# Altium PCB PCB1.PcbDoc (part 1 of 2)
Units mil, origin at the board's own origin, x right, y up, seen from the top; angles counter-clockwise.
Board outline 2550 x 3730 mil, 2 copper layers (Top Layer, Bottom Layer); 59 components, 95 nets, 376 pads, 149 vias.
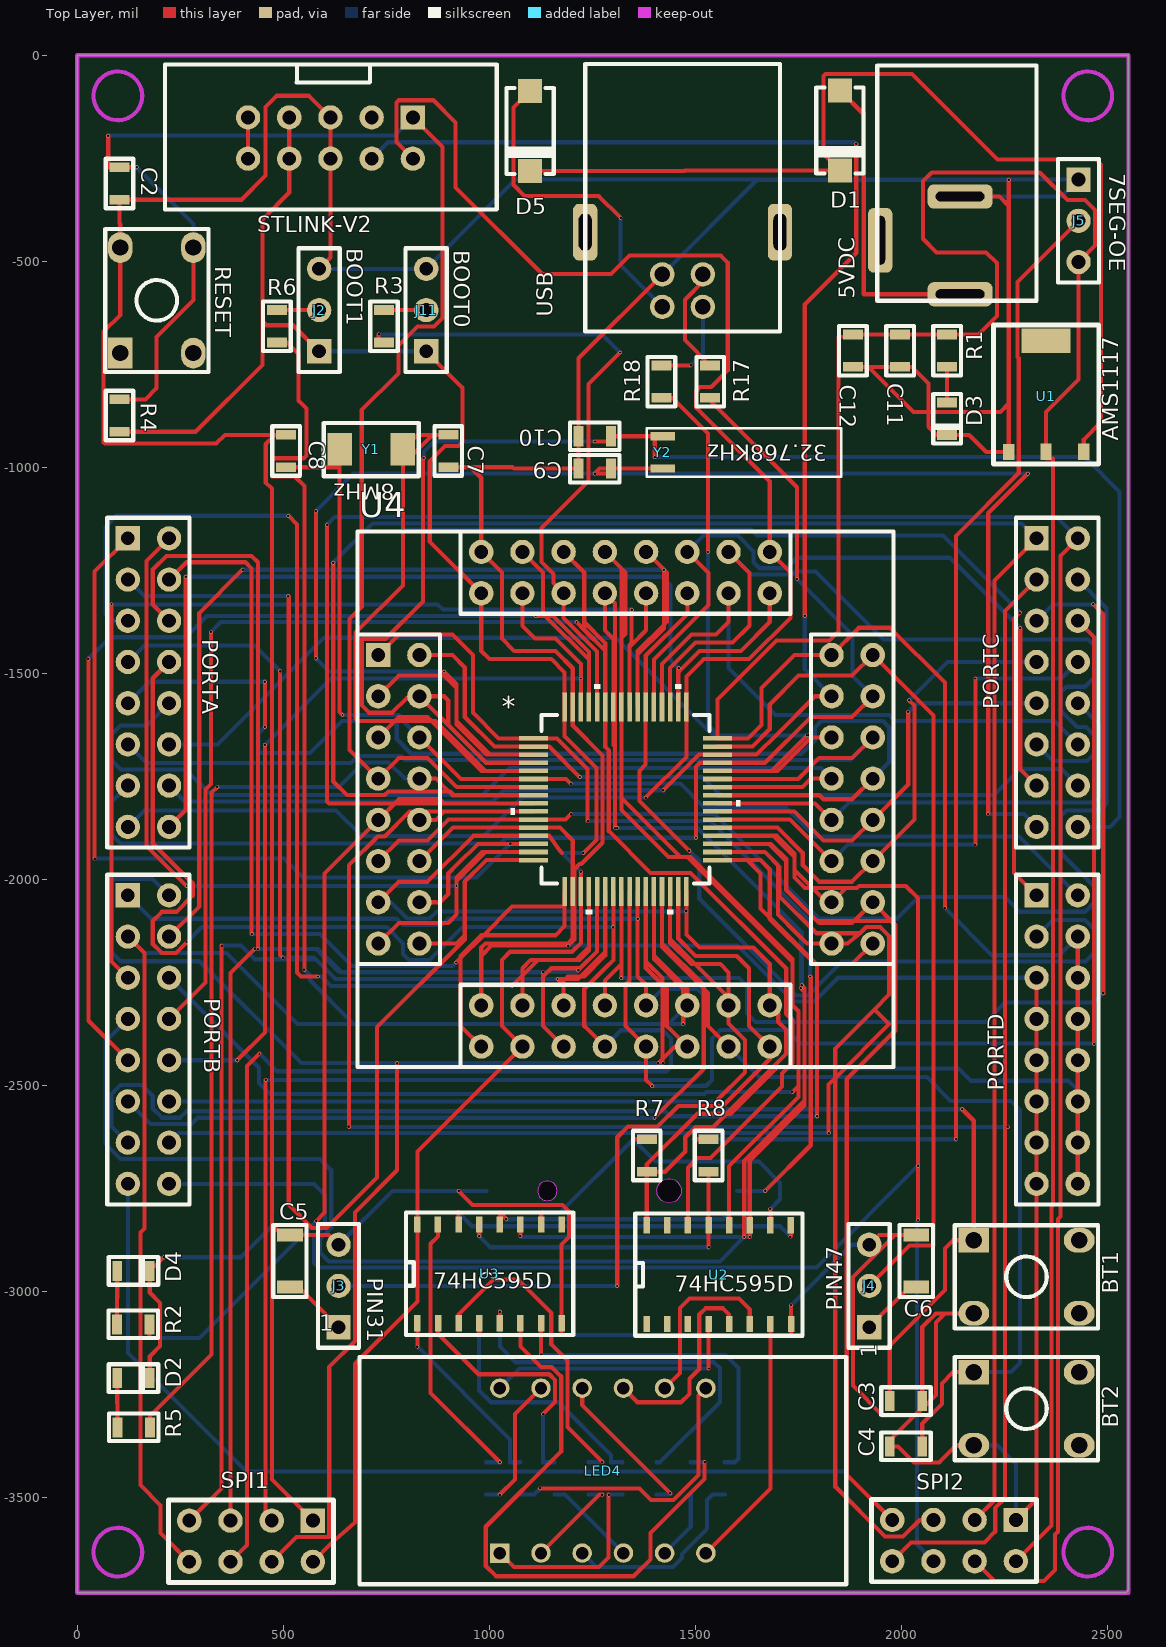
[diagram p0: Top Layer view]
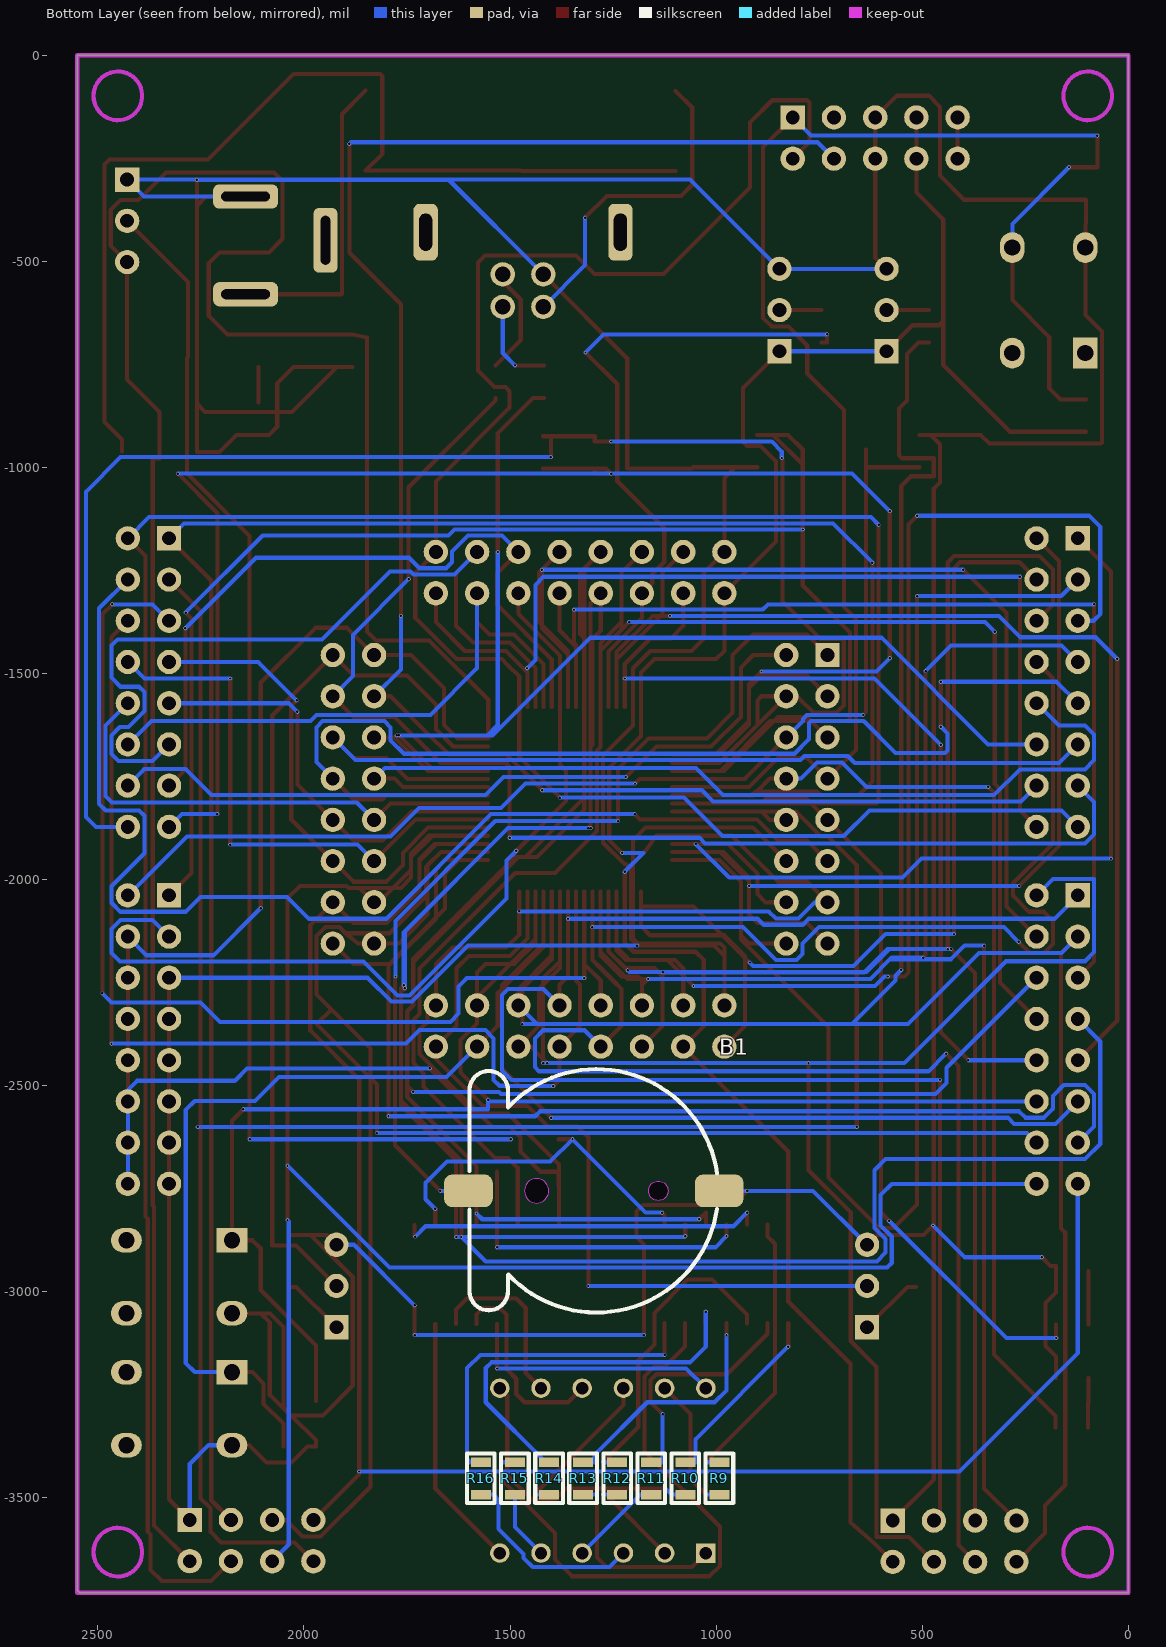
[diagram p1: Bottom Layer view, seen from below]

## Layer stack, top to bottom
Top Solder: solder mask 0.4, Solder Resist, Dk 3.5
Top Layer: signal copper 1.4
Dielectric 1: dielectric 12.6, FR-4, Dk 4.8
Bottom Layer: signal copper 1.4
Bottom Solder: solder mask 0.4, Solder Resist, Dk 3.5

## Board outline
0,-3730 2544.14,-3730 2550,-3724.14 2550,0 0,0

## Design rules (kind name [scope] priority, off if disabled: settings)
Clearance [All] p1: gap=5 ignorepadtopadclearanceinfootprint=FALSE
PolygonConnect [All] p1: connectstyle=Relief reliefconductorwidth=10 reliefentries=4 polygonreliefangle="90 Angle" airgapwidth=10
RoutingCorners [All] p1: cornerstyle=45-Degree minsetback=157.48 maxsetback=157.48
RoutingTopology [All] p1: topology=Daisy_Simple
RoutingVias [All] p1: holewidth=5.91 width=7.87 viastyle="Through Hole" minholewidth=5.91 minwidth=7.87 maxholewidth=5.91 maxwidth=7.87
SolderMaskExpansion [All] p1: expansion=4
UnpouredPolygon [All] p1: allowshelved=TRUE
Width [All] p1: maxlimit=20 minlimit=5 preferedwidth=10
27 further rules are at their usual default settings.

## Components (designator, comment, footprint, x,y, rotation, side; value= is the part's Value field where it differs from the comment)
5VDC "Connector" DC_K375A_Power 1629.92,-292.32 r180 top
B1 "3V" CR1220 1290,-2755 r270 bottom
BT1 "Button Hole" BUTTON_HOLE_5.0mm 2302.95,-2963.58 r90 top
BT2 "Button Hole" BUTTON_HOLE_5.0mm 2302.95,-3283.58 r90 top
C2 "103" C0805 102.36,-311.02 r90 top
C3 "103" C0805 2010.62,-3265.01 r0 top
C4 "103" C0805 2010.64,-3374.99 r180 top
C5 "2.2uF" C1206 515.75,-2925.2 r90 top
C6 "2.2uF" C1206 2035.43,-2925.2 r90 top
C7 "22pF" C0805 900.2,-960.16 r270 top
C8 "22pF" C0805 506.5,-960.16 r90 top
C9 "22pF" C0805 1255.2,-1002.87 r180 top
C10 "22pF" C0805 1255.2,-924.13 r180 top
C11 "102pF" C0805 1996.07,-716.54 r90 top
C12 "102pF" C0805 1881.9,-716.54 r90 top
D1 "1N4007" DO-214AC(SMA) 1850.39,-259.84 r90 top
D2 "LED0805" L0805RED 136.38,-3233.94 r0 top
D3 "LED0805" L0805RED 2085.63,-881.89 r270 top
D4 "LED0805" L0805RED 136.38,-2973.94 r0 top
D5 "1N4007" DO-214AC(SMA) 1098.43,-261.02 r90 top
J2 "BOOT1" "Header 3x1 TH Pitch 2.54mm" 586.61,-618.11 r90 top
J3 "PIN31" "Header 3x1 TH Pitch 2.54mm" 633.86,-2985.83 r90 top
J4 "PIN47" "Header 3x1 TH Pitch 2.54mm" 1921.26,-2985.83 r90 top
J5 "7SEG-OE" "Header 3x1 TH Pitch 2.54mm" 2429.13,-401.57 r270 top
J11 "BOOT0" "Header 3x1 TH Pitch 2.54mm" 846.46,-618.11 r90 top
LED4 "LED-7SEG-0.36-4" LED-7SEG-0.36-4 1275,-3433.86 r0 top
PORTA "Header 8x2 TH Pitch 2.54mm" "Header 8x2 TH Pitch 2.54mm" 172.64,-1521.93 r0 top
PORTB "Header 8x2 TH Pitch 2.54mm" "Header 8x2 TH Pitch 2.54mm" 172.64,-2388.07 r0 top
PORTC "Header 8x2 TH Pitch 2.54mm" "Header 8x2 TH Pitch 2.54mm" 2377.36,-1521.93 r0 top
PORTD "Header 8x2 TH Pitch 2.54mm" "Header 8x2 TH Pitch 2.54mm" 2377.36,-2388.07 r0 top
R1 "100" R0805 2110.24,-677.17 r90 top
R2 "330" R0805 175.12,-3078.94 r0 top
R3 "4k7" R0805 744.09,-696.85 r270 top
R4 "10k" R0805 102.36,-834.65 r90 top
R5 "330" R0805 176.38,-3328.94 r0 top
R6 "4k7" R0805 484.25,-696.85 r270 top
R7 "10k" R0805 1381.89,-2708.66 r270 top
R8 "10k" R0805 1531.5,-2629.92 r90 top
R9 "100" R0805 992.13,-3492.13 r270 bottom
R10 "100" R0805 1074.8,-3492.13 r270 bottom
R11 "100" R0805 1157.48,-3492.13 r270 bottom
R12 "100" R0805 1240.16,-3492.13 r270 bottom
R13 "100" R0805 1322.83,-3492.13 r270 bottom
R14 "100" R0805 1405.51,-3492.13 r270 bottom
R15 "100" R0805 1488.19,-3492.13 r270 bottom
R16 "100" R0805 1570.87,-3492.13 r270 bottom
R17 "100" R0805 1535.43,-831.14 r270 top
R18 "100" R0805 1417.32,-752.4 r90 top
RESET "Button Hole" BUTTON_HOLE_5.0mm 192.91,-594.49 r180 top
SPI1 "Header 4x2 TH Pitch 2.54mm" "Header 4x2 TH Pitch 2.54mm" 421.65,-3605.11 r270 top
SPI2 "Header 4x2 TH Pitch 2.54mm" "Header 4x2 TH Pitch 2.54mm" 2127.16,-3603.54 r270 top
STLINK-V2 "IDC_2.54_5x2" IDC_CONNECTOR_10x2.54 614.17,-200.79 r270 top
U1 "AMS1117" SOT223-3 2350.39,-825.79 r0 top
U2 "74HC595D" SO16 1544.59,-2954.65 r90 top
U3 "74HC595D" SO16 988.19,-2952.76 r90 top
U4 "SOCKET_QFP64" SOCKET_QFP64 1330,-1805 r0 top
USB "USB B Type" USB-B-TYPE 1468.5,-570.87 r270 top
Y1 "8MHz" SMD5032 789.96,-956.22 r0 top
Y2 "32.768KHz" "CRYSTAL 32.768" 1400.87,-963.5 r0 top

## Footprints (in the part's own frame and the unit in brackets; to place one, negate y for a bottom-side part, rotate by r counter-clockwise, add the part's x,y. Pads: shape width x height; smd on the part's side, far side on the other; paste and mask are expansions set on the pad)
BUTTON_HOLE_5.0mm [mm]
  rect 1.5x1.9 hole 1: 1(2.25,3.25)
  oval 1.5x1.9 hole 1: 2(2.25,-3.25) 3(-2.25,3.25) 4(-2.25,-3.25)
  silkscreen extent -3.18,-4.4 3.17,4.43, body extent -3,-3.86 3,3.86, height 5
C0805 [mm]
  rect 0.6x1.24 smd: 1(-1,0) 2(1,0)
  silkscreen extent -1.52,-0.85 1.53,0.85, body extent -1,-0.6 1,0.6, height 1
C1206 [mm]
  rect 0.8x1.6 smd: 1(-1.6,0) 2(1.6,0)
  silkscreen extent -2.22,-1.02 2.23,1.02, body extent -1.6,-0.8 1.6,0.8, height 0.75
CR1220 [mm]
  rrect50% 2x3 smd: 1(0,-7.9) 2(0,7.55)
  Keep-Out Layer board cut-out: -0.75,-3.7 -0.693,-3.987 -0.53,-4.23 -0.287,-4.393 0,-4.45 0,-4.45 0.287,-4.393 0.53,-4.23 0.693,-3.987 0.75,-3.7 0.75,-3.7 0.693,-3.413 0.53,-3.17 0.287,-3.007 0,-2.95 0,-2.95 -0.287,-3.007 -0.53,-3.17 -0.693,-3.413 -0.75,-3.7
  Keep-Out Layer board cut-out: 0,3.2 -0.23,3.246 -0.424,3.376 -0.554,3.57 -0.6,3.8 -0.6,3.8 -0.554,4.03 -0.424,4.224 -0.23,4.354 0,4.4 0,4.4 0.23,4.354 0.424,4.224 0.554,4.03 0.6,3.8 0.6,3.8 0.554,3.57 0.424,3.376 0.23,3.246 0,3.2
  silkscreen extent -7.5,-7.84 7.5,7.43, body extent -7.5,-9.43 7.5,9.07, height 4.04
"CRYSTAL 32.768" [mm]
  rect 1.5x0.5 smd: 1(0.5,1) 2(0.5,-1)
  silkscreen extent -0.5,-1.5 11.5,1.5, body extent 0,-1.5 11.4,1.5, height 3
DC_K375A_Power [mm]
  rrect50% 4x1.5 hole 0.6 slot 3 at 0 deg: 1(-13,7.3) 2(-13,1.275)
  rrect50% 1.5x4 hole 0.6 slot 3 at 90 deg: 3(-8.075,3.975)
  silkscreen extent -17.7,-6.8 -7.9,7.7, body extent -17.7,-6.8 -7.9,7.7, height 11
DO-214AC(SMA) [mm]
  rect 1.5x1.5 smd: 1(4.43,0) 2(-0.5,0)
  silkscreen extent -0.67,-1.5 4.61,1.5, body extent -0.67,-1.46 4.61,1.46, height 2.41
"Header 3x1 TH Pitch 2.54mm" [mm]
  rect 1.5x1.5 hole 0.85: 1(-2.54,0)
  round 1.5 hole 0.85: 2(0,0) 3(2.54,0)
  silkscreen extent -3.81,-1.27 3.81,1.27, body extent -3.81,-1.27 3.81,1.27, height 8.89
"Header 4x2 TH Pitch 2.54mm" [mm]
  rect 1.5x1.5 hole 0.85: 1(-1.27,3.81)
  round 1.5 hole 0.85: 2(1.27,3.81) 3(-1.27,1.27) 4(1.27,1.27) 5(-1.27,-1.27) 6(1.27,-1.27) 7(-1.27,-3.81) 8(1.27,-3.81)
  silkscreen extent -2.54,-5.08 2.54,5.08, body extent -2.54,-5.08 2.54,5.08, height 8.89
"Header 8x2 TH Pitch 2.54mm" [mm]
  rect 1.5x1.5 hole 0.85: 1(-1.27,8.89)
  round 1.5 hole 0.85: 2(1.27,8.89) 3(-1.27,6.35) 4(1.27,6.35) 5(-1.27,3.81) 6(1.27,3.81) 7(-1.27,1.27) 8(1.27,1.27) 9(-1.27,-1.27) 10(1.27,-1.27) 11(-1.27,-3.81) 12(1.27,-3.81) 13(-1.27,-6.35) 14(1.27,-6.35) 15(-1.27,-8.89) 16(1.27,-8.89)
  silkscreen extent -2.54,-10.16 2.54,10.16, body extent -2.54,-10.16 2.54,10.16, height 8.89
IDC_CONNECTOR_10x2.54 [mm]
  rect 1.5x1.5 hole 0.85: 1(-1.27,5.08)
  round 1.5 hole 0.85: 2(1.27,5.08) 3(-1.27,2.54) 4(1.27,2.54) 5(-1.27,0) 6(1.27,0) 7(-1.27,-2.54) 8(1.27,-2.54) 9(-1.27,-5.08) 10(1.27,-5.08)
  silkscreen extent -4.52,-10.2 4.4,10.25, body extent -4.5,-10.25 4.4,10.25, height 3.1
L0805RED [mm]
  rect 0.6x1.24 smd: 1(-1,0.625) 2(1,0.625)
  silkscreen extent -1.53,-0.23 1.52,1.47, body extent -1,0 1,1.25, height 1.1
LED-7SEG-0.36-4 [mm]
  rect 1.2x1.2 hole 0.762: 1(-6.35,-5.08)
  round 1.2 hole 0.762: 2(-3.81,-5.08) 3(-1.27,-5.08) 4(1.27,-5.08) 5(3.81,-5.08) 6(6.35,-5.08) 7(6.35,5.08) 8(3.81,5.08) 9(1.27,5.08) 10(-1.27,5.08) 11(-3.81,5.08) 12(-6.35,5.08)
  silkscreen extent -15,-7 15,7
R0805 [mm]
  rect 0.6x1.24 smd: 1(-2,0) 2(0,0)
  silkscreen extent -2.52,-0.85 0.53,0.85, body extent -2,-0.62 0,0.62, height 0.45
SMD5032 [mm]
  rect 1.5x2 smd: 1(-3.9,0) 2(0,0)
  silkscreen extent -4.87,-1.65 0.97,1.63, body extent -4.45,-1.6 0.55,1.6, height 1.2
SO16 [mm]
  rect 1x0.4 smd: 1(-3.137,4.14) 2(-3.137,2.87) 3(-3.137,1.6) 4(-3.137,0.33) 5(-3.137,-0.94) 6(-3.137,-2.21) 7(-3.137,-3.48) 8(-3.137,-4.75) 9(2.948,-4.748) 10(2.948,-3.478) 11(2.948,-2.208) 12(2.948,-0.938) 13(2.948,0.332) 14(2.948,1.602) 15(2.948,2.872) 16(2.948,4.142)
  silkscreen extent -3.86,-5.46 3.68,4.85, body extent -3.17,-5.29 2.97,4.68, height 1.75
SOCKET_QFP64 [mm]
  rect 1.5x1.5 hole 0.85: 1(-15.24,8.89)
  rect 1.778x0.279 smd paste+0 mask+0: 1(-5.677,3.75) 2(-5.677,3.25) 3(-5.677,2.75) 4(-5.677,2.25) 5(-5.677,1.75) 6(-5.677,1.25) 7(-5.677,0.75) 8(-5.677,0.25) 9(-5.677,-0.25) 10(-5.677,-0.75) 11(-5.677,-1.25) 12(-5.677,-1.75) 13(-5.677,-2.25) 14(-5.677,-2.75) 15(-5.677,-3.25) 16(-5.677,-3.75) 33(5.677,-3.75) 34(5.677,-3.25) 35(5.677,-2.75) 36(5.677,-2.25) 37(5.677,-1.75) 38(5.677,-1.25) 39(5.677,-0.75) 40(5.677,-0.25) 41(5.677,0.25) 42(5.677,0.75) 43(5.677,1.25) 44(5.677,1.75) 45(5.677,2.25) 46(5.677,2.75) 47(5.677,3.25) 48(5.677,3.75)
  round 1.5 hole 0.85: 2(-12.7,8.89) 3(-15.24,6.35) 4(-12.7,6.35) 5(-15.24,3.81) 6(-12.7,3.81) 7(-15.24,1.27) 8(-12.7,1.27) 9(-15.24,-1.27) 10(-12.7,-1.27) 11(-15.24,-3.81) 12(-12.7,-3.81) 13(-15.24,-6.35) 14(-12.7,-6.35) 15(-15.24,-8.89) 16(-12.7,-8.89) 17(-8.89,-15.24) 18(-8.89,-12.7) 19(-6.35,-15.24) 20(-6.35,-12.7) 21(-3.81,-15.24) 22(-3.81,-12.7) 23(-1.27,-15.24) 24(-1.27,-12.7) 25(1.27,-15.24) 26(1.27,-12.7) 27(3.81,-15.24) 28(3.81,-12.7) 29(6.35,-15.24) 30(6.35,-12.7) 31(8.89,-15.24) 32(8.89,-12.7) 33(15.24,-8.89) 34(12.7,-8.89) 35(15.24,-6.35) 36(12.7,-6.35) 37(15.24,-3.81) 38(12.7,-3.81) 39(15.24,-1.27) 40(12.7,-1.27) 41(15.24,1.27) 42(12.7,1.27) 43(15.24,3.81) 44(12.7,3.81) 45(15.24,6.35) 46(12.7,6.35) 47(15.24,8.89) 48(12.7,8.89) 49(8.89,15.24) 50(8.89,12.7) 51(6.35,15.24) 52(6.35,12.7) 53(3.81,15.24) 54(3.81,12.7) 55(1.27,15.24) 56(1.27,12.7) 57(-1.27,15.24) 58(-1.27,12.7) 59(-3.81,15.24) 60(-3.81,12.7) 61(-6.35,15.24) 62(-6.35,12.7) 63(-8.89,15.24) 64(-8.89,12.7)
  rect 0.279x1.778 smd paste+0 mask+0: 17(-3.75,-5.677) 18(-3.25,-5.677) 19(-2.75,-5.677) 20(-2.25,-5.677) 21(-1.75,-5.677) 22(-1.25,-5.677) 23(-0.75,-5.677) 24(-0.25,-5.677) 25(0.25,-5.677) 26(0.75,-5.677) 27(1.25,-5.677) 28(1.75,-5.677) 29(2.25,-5.677) 30(2.75,-5.677) 31(3.25,-5.677) 32(3.75,-5.677) 49(3.75,5.677) 50(3.25,5.677) 51(2.75,5.677) 52(2.25,5.677) 53(1.75,5.677) 54(1.25,5.677) 55(0.75,5.677) 56(0.25,5.677) 57(-0.25,5.677) 58(-0.75,5.677) 59(-1.25,5.677) 60(-1.75,5.677) 61(-2.25,5.677) 62(-2.75,5.677) 63(-3.25,5.677) 64(-3.75,5.677)
  Top Layer lines w0.254: -15.24,-8.89 -13.97,-7.62 -13.208,-7.62 -13.157,-7.62 -10.922,-7.62 -10.414,-7.112 -10.414,-6.604 -10.414,-5.334 -10.414,-5.049 -10.414,-4.826 -8.838,-3.25 -8.615,-3.25 -5.677,-3.25 ; -15.24,-6.35 -13.97,-5.08 -12.192,-5.08 -9.362,-2.25 -5.677,-2.25 ; -15.24,-3.81 -13.97,-2.54 -12.192,-2.54 -10.902,-1.25 -7.747,-1.25 -7.742,-1.25 -5.677,-1.25 ; -15.24,-1.27 -14.22,-0.25 -13.97,0 -11.43,0 -11.18,-0.25 -11.176,-0.254 -5.681,-0.254 -5.677,-0.25 ; -15.24,1.27 -13.97,2.54 -12.192,2.54 -10.402,0.75 -5.677,0.75 ; -15.24,3.81 -14.275,4.775 -14.224,4.826 -13.97,5.08 -13.665,5.08 -12.192,5.08 -11.938,4.826 -8.862,1.75 -8.735,1.75 -8.639,1.75 -5.677,1.75 ; -15.24,6.35 -13.97,7.62 -11.176,7.62 -10.414,6.858 -10.414,5.049 -10.414,4.826 -8.338,2.75 -8.115,2.75 -5.677,2.75 ; -15.24,8.89 -13.97,10.16 -10.668,10.16 -9.398,8.89 -9.398,5.376 -9.398,5.334 -7.814,3.75 -7.772,3.75 -5.677,3.75 ; -12.7,-8.89 -10.414,-8.89 -9.906,-8.382 -9.906,-5.08 -8.576,-3.75 -7.239,-3.75 -6.756,-3.75 -6.696,-3.75 -5.677,-3.75 ; -12.7,-6.35 -11.684,-6.35 ; -12.7,-3.81 -10.64,-1.75 -9.726,-1.75 -7.795,-1.75 -5.677,-1.75 ; -12.7,-1.27 -11.684,-1.27 -11.328,-0.914 -11.164,-0.75 -5.677,-0.75 ; -12.7,1.27 -11.684,1.27 -10.998,0.584 -10.897,0.483 -10.795,0.381 -10.664,0.25 -10.562,0.25 -10.537,0.25 -10.461,0.25 -5.677,0.25 ; -12.7,3.81 -10.14,1.25 -5.677,1.25 ; -12.7,6.35 -11.176,6.35 -10.922,6.096 -10.922,4.795 -10.922,4.572 -8.6,2.25 -8.377,2.25 -5.677,2.25 ; -12.7,8.89 -10.668,8.89 -9.906,8.128 -9.906,5.08 -8.076,3.25 -5.677,3.25 ; -8.89,-15.24 -10.16,-13.97 -10.16,-9.779 -10.16,-9.652 -8.89,-8.382 -8.763,-8.382 -5.105,-8.382 -4.978,-8.382 -4.512,-8.382 -4.318,-8.382 -3.75,-7.814 -3.75,-7.62 -3.75,-7.154 -3.75,-6.604 -3.75,-5.677 ; -8.89,-12.7 -8.89,-11.506 -8.89,-9.906 -8.89,-9.652 -8.89,-9.144 -8.636,-8.89 -8.255,-8.89 -7.747,-8.89 -3.632,-8.89 -3.581,-8.89 -3.556,-8.89 -3.25,-8.584 -3.25,-8.559 -3.25,-8.508 -3.25,-5.677 ; -8.89,12.7 -8.89,9.144 -8.382,8.636 -4.572,8.636 -3.75,7.814 -3.75,5.677 ; -8.89,15.24 -7.62,13.97 -7.62,9.906 -6.858,9.144 -4.318,9.144 -3.25,8.076 -3.25,5.677 ; -6.35,-15.24 -7.62,-13.97 -7.62,-10.16 -7.62,-9.906 -7.112,-9.398 -6.858,-9.398 -3.302,-9.398 -2.75,-8.846 -2.75,-5.677 ; -6.35,-12.7 -6.35,-10.871 -6.35,-10.414 -5.842,-9.906 -5.385,-9.906 -3.048,-9.906 -2.25,-9.108 -2.25,-5.677 ; -6.35,12.7 -6.35,11.201 -6.35,10.668 -5.588,9.906 -4.541,9.906 -4.318,9.906 -2.75,8.338 -2.75,8.115 -2.75,7.442 -2.75,5.677 ; -6.35,15.24 -5.207,14.097 -5.08,13.97 -5.08,11.907 -5.08,11.43 -4.953,11.303 -2.25,8.6 -2.25,8.377 -2.25,5.677 ; -5.677,-2.75 -7.112,-2.75 -8.877,-2.75 -9.1,-2.75 -10.404,-4.054 -10.922,-4.572 -10.922,-5.842 -11.43,-6.35 -11.684,-6.35 ; -3.81,-15.24 -5.08,-13.97 -5.08,-10.922 -4.953,-10.795 -4.572,-10.414 -3.017,-10.414 -2.921,-10.414 -2.794,-10.414 -1.75,-9.37 -1.75,-9.147 -1.75,-5.677 ; -3.81,-12.7 -3.81,-11.455 -3.81,-11.176 -3.708,-11.074 -3.556,-10.922 -2.763,-10.922 -2.54,-10.922 -1.25,-9.632 -1.25,-9.409 -1.25,-5.677 ; -3.81,12.7 -3.81,11.176 -1.75,9.116 -1.75,5.677 ; -3.81,15.24 -2.54,13.97 -2.54,11.145 -2.54,10.922 -1.25,9.632 -1.25,9.155 -1.25,5.677 ; -1.27,-15.24 -2.286,-14.224 -2.289,-14.221 -2.54,-13.97 -2.54,-11.684 -2.289,-11.433 -2.286,-11.43 -1.27,-10.414 -0.75,-9.894 -0.75,-9.742 -0.75,-7.874 -0.75,-5.677 ; -1.27,-12.7 -1.27,-11.176 -0.341,-10.247 -0.259,-10.165 -0.25,-10.156 -0.25,-10.08 -0.25,-5.677 ; -1.27,12.7 -1.27,10.414 -0.762,9.906 -0.75,9.894 -0.75,5.677 ; -1.27,15.24 -0.254,14.224 0,13.97 0,10.185 -0.25,9.935 -0.25,5.677 ; 0.25,-5.677 0.25,-11.18 0,-11.43 0,-13.97 1.27,-15.24 ; 0.25,5.677 0.25,9.394 0.372,9.516 1.27,10.414 1.27,12.7 ; 0.75,-5.677 0.75,-7.366 0.75,-7.849 0.75,-10.91 1.27,-11.43 1.27,-12.7 ; 0.75,5.677 0.75,8.909 0.75,9.132 2.362,10.744 2.54,10.922 2.54,13.97 2.362,14.148 1.27,15.24 ; 1.25,-5.677 1.25,-7.417 1.25,-9.988 1.25,-10.389 1.25,-10.394 2.286,-11.43 2.54,-11.684 2.54,-13.97 2.794,-14.224 3.81,-15.24 ; 1.25,5.677 1.25,8.87 3.81,11.43 ; 1.75,-5.677 1.75,-9.624 1.812,-9.686 3.81,-11.684 3.81,-11.915 3.81,-12.7 ; 1.75,5.677 1.75,8.422 1.75,8.608 5.105,11.963 5.105,13.945 3.81,15.24 ; 2.25,-5.677 2.25,-8.885 2.25,-9.108 4.826,-11.684 5.08,-11.938 5.08,-13.97 6.35,-15.24 ; 2.25,5.677 2.25,8.346 4.064,10.16 5.588,10.16 6.35,10.922 6.35,12.7 ; 2.75,-5.677 2.75,-8.623 2.75,-8.846 4.064,-10.16 4.287,-10.16 5.842,-10.16 6.35,-10.668 6.35,-12.223 6.35,-12.7 ; 2.75,5.677 2.75,8.084 4.318,9.652 6.604,9.652 7.645,10.693 7.645,13.945 6.35,15.24 ; 3.25,-5.677 3.25,-8.584 4.318,-9.652 6.858,-9.652 7.62,-10.414 7.62,-13.97 8.89,-15.24 ; 3.25,5.677 3.25,7.822 3.388,7.96 4.572,9.144 7.112,9.144 8.89,10.922 8.89,12.7 ; 3.75,-5.677 3.75,-5.842 3.75,-6.909 3.75,-7.636 3.75,-8.322 4.572,-9.144 7.544,-9.144 7.874,-9.144 8.89,-10.16 8.89,-10.49 8.89,-12.7 ; 3.75,5.677 3.75,6.604 3.75,7.56 4.47,8.28 4.826,8.636 7.143,8.636 7.62,8.636 10.16,11.176 10.16,11.653 10.16,13.97 8.89,15.24 ; 3.81,12.7 3.81,11.43 ; 5.677,-3.75 7.505,-3.75 8.001,-3.75 8.203,-3.75 8.322,-3.75 8.89,-4.318 8.89,-4.437 8.89,-7.29 8.89,-7.366 11.532,-10.008 11.684,-10.16 11.76,-10.16 13.97,-10.16 15.24,-8.89 ; 5.677,-3.25 8.584,-3.25 9.398,-4.064 9.398,-7.112 10.541,-8.255 11.176,-8.89 12.7,-8.89 ; 5.677,-2.75 8.846,-2.75 9.779,-3.683 9.906,-3.81 9.906,-5.588 11.811,-7.493 11.938,-7.62 13.97,-7.62 14.097,-7.493 15.24,-6.35 ; 5.677,-2.25 8.885,-2.25 9.108,-2.25 10.414,-3.556 10.414,-3.779 10.414,-4.095 10.414,-4.349 11.526,-5.461 12.415,-6.35 12.7,-6.35 ; 5.677,-1.75 9.37,-1.75 10.922,-3.302 10.922,-4.064 11.938,-5.08 13.97,-5.08 15.24,-3.81 ; 5.677,-1.25 10.14,-1.25 12.7,-3.81 ; 5.677,-0.75 10.402,-0.75 12.192,-2.54 13.97,-2.54 15.24,-1.27 ; 5.677,-0.25 11.68,-0.25 12.7,-1.27 ; 5.677,0.25 11.942,0.25 12.192,0 13.97,0 15.24,1.27 ; 5.677,0.75 10.91,0.75 11.43,1.27 12.7,1.27 ; 5.677,1.25 10.648,1.25 11.938,2.54 13.97,2.54 15.24,3.81 ; 5.677,1.75 8.989,1.75 9.37,1.75 11.43,3.81 11.557,3.81 11.938,3.81 12.7,3.81 ; 5.677,2.25 8.6,2.25 11.43,5.08 13.97,5.08 15.24,6.35 ; 5.677,2.75 8.084,2.75 9.398,4.064 ; 5.677,3.25 7.822,3.25 8.89,4.318 8.89,5.842 10.668,7.62 13.97,7.62 15.24,8.89 ; 5.677,3.75 7.56,3.75 8.382,4.572 8.382,6.858 10.414,8.89 12.7,8.89 ; 12.7,6.35 11.684,6.35 9.398,4.064 ; -11.684,-6.35 -11.684,-6.35 ; 3.81,11.43 3.81,11.43 ; 8.89,15.24 8.89,15.24 ; 9.398,4.064 9.398,4.064 ; 12.7,1.27 12.7,1.27 ; 15.24,-8.89 15.24,-8.89
  silkscreen extent -16.51,-16.51 16.51,16.51, body extent -16.51,-16.51 16.51,16.51, height 8.89
SOT223-3 [mm]
  rect 0.7x1 smd: 1(-2.3,-3.475) 2(0,-3.45) 3(2.325,-3.45)
  rect 3x1.5 smd: 4(0,3.375)
  silkscreen extent -3.25,-4.2 3.25,4.35, body extent -3.25,-3.5 3.25,3.5, height 1.7
USB-B-TYPE [mm]
  round 1.5 hole 0.95: 1(1,-1.25) 2(1,1.25) 3(-1,1.25) 4(-1,-1.25)
  rrect50% 3.5x1.5 hole 0.8 slot 2.3 at 0 deg: S1(-3.6,6) S2(-3.6,-6)
  silkscreen extent -13.97,-6 2.53,6, body extent -13.97,-7.42 2.53,7.37, height 11

## Part data
5VDC: library part JackDC
B1: library part Batery
C2 C3 C4 C7 C8 C9 C10: library part C0805
C5 C6: library part C1206
C11 C12: library part Capacitors(SMD)
D1 D5: library part "Diode 1N4007-DO214AC(SMA)"
J2 J3 J4 J5 J11: library part "Header 3x1 TH Pitch 2.54mm"
R1 R2 R3 R4 R5 R6 R7 R8 R9 R10 R11 R12 R13 R14 R15 R16 R17 R18: library part "Resistor SMD"
U1: library part AMS1117(SOT-223)
Y1: library part Crystal
Y2: library part "Crystal 32.768KHz"

## Via types
v1: diameter 7.87, hole 5.91, Top Layer to Bottom Layer, 149 vias

## Nets (pads, with @x,y where several pads share a name; then routed paths per layer and width w, separated by ;. In a path a pad name is that pad's centre, name@x,y a point inside that pad or via, vN(x,y) a via of type N, cw(c..) or ccw(c..) an arc to the next point about the centre after c; other vN are vias at no path point)
3.3V: C11.2 C12.2 J2.1 J5.3 J11.1 PORTD.4 PORTD.6 PORTD.8 PORTD.10 PORTD.12 PORTD.14 PORTD.16 R1.2 R4.1 R7.2 SPI1.2 SPI2.2 STLINK-V2.7 STLINK-V2.8 U1.2 U2.16 U3.16 U4.13 U4.19 U4.32 U4.48 U4.64 | length 15100.7
  Top Layer w10: R4.1@102.36,-913.39 287,-913.39 449,-751.39 449,-645 ; STLINK-V2.7@514.18,-150.79 514.18,-201 STLINK-V2.8@514.18,-250.79 514.18,-333 449,-398.18 449,-645 ; SPI1.2@571.65,-3655.11 617.12,-3609.64 674,-3559.67 674,-3174.53 825.1,-3023.43 U3.16@825.1,-2836.69 825.1,-2659.9 U4.19@1080,-2405 ; J2.1@586.61,-718.11 523.5,-655 459,-655 449,-645 ; J11.1@846.46,-718.11 935,-806.65 935,-938 925,-948 892,-948 855,-985 855,-1180 U4.64@980,-1305 ; U4.13@1106.5,-1893.58 1145,-1893.58 1172,-1931 1176,-1935 ; U4.64@1182.36,-1581.5 1182.36,-1652 1259.5,-1729.14 1259.5,-1903.5 v1(1228,-1935) ; U4.19@1221.73,-2028.5 v1(1221.73,-1981.27) ; U2.16@1381.5,-2838.58 1381.5,-2743.11 ; v1(1477.64,-2077) 1477.64,-2035 U4.32@1477.64,-2028.5 ; U4.48@1553.5,-1657.36 1553,-1657.36 1553,-1563.21 1696.21,-1420 1825,-1420 1847,-1398 1847,-685 C12.2@1881.89,-677.17 C11.2@1996.06,-677.17 R1.2@2110.24,-677.17 2186,-677.17 2231,-632.17 2231,-504 2205,-478 2085,-478 2052,-445 2052,-305 2073,-284 2335,-284 2402,-351 2445,-351 2469,-375 2469,-461.71 J5.3@2429.13,-501.57 2429.13,-786.26 2350.39,-865 U1.2@2350.39,-961.61 2350.39,-978 2367,-978 2367,-2790 2364,-2793 2364,-3566.69 SPI2.2@2277.16,-3653.54 ; U4.32@1680,-2305 1700.65,-2325.65 1700.65,-2344.91 1719.53,-2363.79 1719.53,-2423.47 1575,-2568 ; v1(1695,-2458) 1585,-2568 1575,-2568 ; U4.48@1830,-1455 1896,-1389 1972,-1389 2105,-1522 v1(2105,-2069) ; PORTD.16@2427.37,-2738.07 PORTD.14@2427.37,-2638.07 PORTD.12@2427.37,-2538.07 PORTD.10@2427.37,-2438.07 PORTD.8@2427.37,-2338.07 PORTD.6@2427.37,-2238.07 PORTD.4@2427.37,-2138.07 ; 1381.5,-2743.11 1381.5,-2691.5 1505,-2568 1575,-2568 ; 1381.5,-2743.11 1381.89,-2742.72 R7.2@1381.89,-2708.66 1426.34,-2708.66 1474.94,-2660.06 1474.94,-2625 1499.88,-2600.06 1542.94,-2600.06 1575,-2568
  Bottom Layer w10: J2.1@586.61,-718.11 J11.1@846.46,-718.11 ; U4.13@730,-2055 761,-2055 800.53,-2094.53 855,-2094.53 872.53,-2077 v1(1477.64,-2077) ; v1(1221.73,-1981.27) 1221.73,-1980.73 1176,-1935 v1(1228,-1935) ; v1(1695,-2458) 2138,-2458 2168,-2488 2405,-2488 2427.37,-2510.37 PORTD.12@2427.37,-2538.07 PORTD.14@2427.37,-2638.07 PORTD.16@2427.37,-2738.07 ; v1(2105,-2069) 2219.54,-2183.54 2381.89,-2183.54 PORTD.4@2427.37,-2138.07
5V: STLINK-V2.9 STLINK-V2.10 | length 100
  Top Layer w10: STLINK-V2.10@414.18,-250.79 STLINK-V2.9@414.18,-150.79
BOOT0: R3.2 U4.60 | length 1322.7
  Top Layer w10: v1(731,-677) 731,-696.85 R3.2@744.09,-696.85 ; U4.60@1180,-1305 1155,-1280 1155,-1258.79 1126,-1229.79 1126,-1147 1240,-1033 1240,-798 v1(1317,-721)
  Bottom Layer w10: v1(731,-677) 1273,-677 v1(1317,-721)
BOOT1: PORTB.3 R6.2 SPI1.8 U4.28 | length 5330.5
  Top Layer w10: PORTB.3@122.64,-2138.07 163,-2178.43 163,-2846 153,-2856 153,-3469 202,-3518 202,-3585.46 SPI1.8@271.65,-3655.12 ; R6.2@484.25,-696.85 508.85,-696.85 537,-725 537,-838 556,-857 556,-971 549.29,-977.71 472.08,-977.71 472.08,-1021.33 527.33,-1021.33 551,-1045 v1(551,-2219) ; U4.28@1398.9,-2028.5 1398.9,-2183.9 1398.9,-2193 1470,-2264.1 v1(1470,-2350.47)
  Bottom Layer w10: PORTB.3@122.64,-2138.07 162.57,-2178 362.28,-2178 534.75,-2350.47 670.6,-2350.47 ; v1(551,-2219) 565.13,-2233.13 565.13,-2245 670.6,-2350.47 ; v1(1470,-2350.47) 1434.53,-2350.47 ; U4.28@1480,-2305 1434.53,-2350.47 ; 670.6,-2350.47 1434.53,-2350.47
GND: 5VDC.2 B1.2 BT1.3 BT2.3 C2.1 C3.2 C4.2 C5.2 C6.2 C7.2 C8.2 C9.2 C10.2 C11.1 C12.1 D2.2 D3.2 D4.2 J2.3 J3.3 J4.3 J5.1 J11.3 PORTD.5 PORTD.7 PORTD.9 PORTD.11 PORTD.13 PORTD.15 RESET.2 SPI1.1 SPI2.1 STLINK-V2.5 STLINK-V2.6 U1.1 U2.8 U3.8 U4.12 U4.18 U4.63 USB.4 | length 19849.6
  Top Layer w10: D2.2@175.75,-3209.33 175.75,-3157.25 201,-3132 201,-3027.25 175.75,-3002 D4.2@175.75,-2949.33 175.75,-2937 189,-2937 v1(210,-2916) ; v1(473.9,-2839.1) 497,-2862.2 C5.2@515.75,-2862.2 610.24,-2862.2 J3.3@633.86,-2885.83 ; C8.2@506.49,-920.78 480,-920.78 ; SPI1.1@571.65,-3555.11 472,-3455.46 472,-1051.26 457.08,-1036.33 457.08,-943.71 480,-920.78 ; J2.3@586.61,-518.11 614.18,-490.55 STLINK-V2.6@614.18,-250.79 STLINK-V2.5@614.18,-150.79 561.39,-98 484,-98 457,-125 457,-292 398.61,-350.39 C2.1@102.35,-350.39 102.35,-408.02 104.33,-410 RESET.2@104.33,-466.53 104.33,-630 64,-670.33 64,-939 67,-942 337,-942 358.22,-920.78 480,-920.78 ; C7.2@900.21,-999.53 954.53,-999.53 ; v1(925,-2755) 959,-2789 1177,-2789 1193,-2805 1193,-2867 1175.19,-2884.81 U3.8@1175.19,-3076.26 v1(1175.19,-3104.88) ; U4.18@980,-2305 980,-2185 1005,-2160 v1(1191,-2160) 1202.05,-2148.95 ; U4.63@980,-1205 980,-1025 954.53,-999.53 ; U4.12@1106.5,-1873.9 1170.95,-1873.9 1202.05,-1905 U4.18@1202.05,-2028.5 1202.05,-2139.95 1202.05,-2141.95 1202.05,-2142.95 1202.05,-2148.95 ; U4.63@1202.05,-1581.5 1202.05,-1626.05 1274.5,-1698.5 1274.5,-1910.5 1222.71,-1962.29 1218.71,-1962.29 1206,-1975 1206,-2145 1202.05,-2148.95 ; USB.4@1419.29,-531.5 1215.82,-734.97 C10.2@1215.82,-924.14 C9.2@1215.82,-1002.88 1059.35,-1002.88 1056,-999.53 954.53,-999.53 ; v1(1731.59,-3104.88) U2.8@1731.59,-3078.15 v1(1731.59,-3033) ; C12.1@1881.89,-755.91 1919.91,-755.91 ; J4.3@1921.26,-2885.83 1944.88,-2862.2 1983.8,-2862.2 ; C6.2@2035.43,-2862.2 1983.8,-2862.2 ; 5VDC.2@2141.73,-342.52 2237.36,-342.52 2259.84,-365 2259.84,-845.16 ; BT2.3@2175,-3372.17 2133,-3372.17 2091.17,-3414 2030,-3414 1991,-3375 C4.2@1971.26,-3375 1971.26,-3360 2031.26,-3300 ; BT1.3@2175,-3052.17 2105,-3052.17 ; v1(2260,-302) 2260,-845 2259.84,-845.16 ; SPI2.1@2277.16,-3553.54 2327.37,-3503.33 PORTD.15@2327.37,-2738.07 PORTD.13@2327.37,-2638.07 PORTD.11@2327.37,-2538.07 PORTD.9@2327.37,-2438.07 PORTD.7@2327.37,-2338.07 PORTD.5@2327.37,-2238.07 ; 1919.91,-755.91 C11.1@1996.06,-755.91 2025,-755.91 2065,-795.91 2065,-865 ; 1919.91,-755.91 2029,-865 2065,-865 ; 1983.8,-2862.2 1881.73,-2964.27 1881.73,-3227.73 1954,-3300 2031.26,-3300 ; 2031.26,-3300 2033,-3300 2083,-3250 2083,-3074.17 2105,-3052.17 ; 2031.26,-3300 2050,-3281.26 C3.2@2050,-3265 2050,-3085 2082.83,-3052.17 2105,-3052.17 ; 2065,-865 2240,-865 2259.84,-845.16 ; 2065,-865 2065,-901.26 2085,-921.26 D3.2@2110.24,-921.26 2164,-921.26 2205.34,-962.6 U1.1@2259.84,-962.6 2259.84,-845.16
  Bottom Layer w10: v1(210,-2916) 397,-2916 v1(473.9,-2839.1) ; J2.3@586.61,-518.11 J11.3@846.46,-518.11 1062.99,-301.57 J5.1@2429.13,-301.57 2388.19,-342.52 5VDC.2@2141.73,-342.52 ; J3.3@633.86,-2885.83 764.68,-2755 v1(925,-2755) B1.2@992.76,-2755 ; v1(1175.19,-3104.88) v1(1731.59,-3104.88) ; v1(1191,-2160) 1602,-2160 1738,-2296 1788,-2296 1845.93,-2238.07 PORTD.5@2327.37,-2238.07 ; USB.4@1419.29,-531.5 1648.79,-302 v1(2260,-302) ; v1(1731.59,-3033) 1878.76,-2885.83 J4.3@1921.26,-2885.83 ; BT2.3@2175,-3372.17 2231.17,-3372.17 2277.16,-3418.16 SPI2.1@2277.16,-3553.54
JNRST: PORTB.5 U4.56 | length 2428.5
  Top Layer w10: v1(83,-1332) 83,-2198.43 PORTB.5@122.64,-2238.07 ; U4.56@1339.84,-1581.5 1339.84,-1435.16 1339.84,-1430.36 1345,-1425.2 v1(1345,-1345)
  Bottom Layer w10: v1(83,-1332) 873.94,-1332 886.94,-1345 v1(1345,-1345)
JTCK: PORTA.15 STLINK-V2.2 U4.49 | length 3673.7
  Top Layer w10: STLINK-V2.2@814.17,-250.78 774,-210.61 774,-115 780,-109 864,-109 918,-163 918,-321 1128,-531 1295,-531 1340,-486 1561,-486 1578,-503 1578,-765 1538,-805 1511,-805 1501,-815 1501,-855 1680,-1034 U4.49@1680,-1205 ; v1(1379,-1801) 1477.64,-1702.36 U4.49@1477.64,-1581.5
  Bottom Layer w10: PORTA.15@122.64,-1871.93 162.57,-1832 627.94,-1832 690.47,-1894.53 985,-1894.53 1078.52,-1801 v1(1379,-1801)
JTDI: PORTA.16 U4.50 | length 2113
  Top Layer w10: PORTA.16@222.64,-1871.93 263,-1831.57 v1(263,-1265) ; U4.50@1457.95,-1581.5 1457.95,-1497.05 1457.95,-1488.26 v1(1459,-1487.21)
  Bottom Layer w10: v1(263,-1265) 1418.79,-1265 1438.79,-1285 1438.79,-1467 v1(1459,-1487.21)
JTDO: PORTB.4 U4.55 | length 2345.7
  Top Layer w10: PORTB.4@222.64,-2138.07 295.96,-2064.75 295.96,-1353.04 v1(401,-1248) ; U4.55@1359.53,-1581.5 1359.53,-1454.26 1423,-1390.79 1423,-1382 v1(1423,-1248)
  Bottom Layer w10: v1(401,-1248) v1(1423,-1248)
JTMS: PORTA.14 STLINK-V2.4 U4.46 | length 4006.2
  Top Layer w10: v1(1422,-1783) 1508.27,-1696.73 U4.46@1553.5,-1696.73 ; v1(1765,-1360) 1765,-604 1890,-479 v1(1890,-215)
  Bottom Layer w10: PORTA.14@222.64,-1771.93 260.72,-1810 1008,-1810 1035,-1783 v1(1422,-1783) ; STLINK-V2.4@714.18,-250.79 753.97,-211 1886,-211 v1(1890,-215) ; v1(1765,-1360) 1765,-1490 U4.46@1830,-1555
Net5VDC_1: 5VDC.1 D1.1 | length 751.5
  Top Layer w10: D1.1@1850.39,-85.43 1908,-143.04 1908,-579 1908.72,-579.72 5VDC.1@2141.73,-579.72
NetC5_1: C5.1 J3.1 | length 158.6
  Top Layer w10: C5.1@515.75,-2988.19 536.22,-2988.19 J3.1@633.86,-3085.83
NetC6_1: C6.1 J4.1 | length 154.6
  Top Layer w10: J4.1@1921.26,-3085.83 2018.9,-2988.19 C6.1@2035.43,-2988.19
NetD1_2: D1.2 D5.2 U1.3 | length 2480
  Top Layer w10: D5.2@1098.43,-280.71 1473,-280.71 1474.18,-279.53 D1.2@1850.39,-279.53 1810,-239.13 1810,-50 1815,-45 2025,-45 2233,-253 2472,-253 2484,-265 2484,-889.93 2441.93,-932 U1.3@2441.93,-961.61
NetD2_1: D2.1 R5.1 | length 119.9
  Top Layer w10: D2.1@97.01,-3209.33 97.01,-3269.37 97.64,-3270 R5.1@97.64,-3328.94
NetD3_1: D3.1 R1.1 | length 86.6
  Top Layer w10: D3.1@2110.24,-842.52 R1.1@2110.24,-755.91
NetD4_1: D4.1 R2.1 | length 129.9
  Top Layer w10: R2.1@96.38,-3078.94 96.38,-3015 97.01,-3014.37 D4.1@97.01,-2949.33
NetD5_1: D5.1 USB.1 | length 795.5
  Top Layer w10: D5.1@1098.43,-86.61 1058,-127.04 1058,-314 1085,-341 1265,-341 v1(1318,-394)
  Bottom Layer w10: v1(1318,-394) 1318,-508.94 USB.1@1419.29,-610.24
NetJ2_2: J2.2 R6.1 | length 102.4
  Top Layer w10: R6.1@484.25,-618.11 J2.2@586.61,-618.11
NetJ5_2: J5.2 R8.2 | length 3021.5
  Top Layer w10: v1(1498,-2630) 1498.08,-2629.92 R8.2@1531.5,-2629.92 ; v1(2132,-2630) 2132,-1166 2284,-1014 2284,-735 2281,-732 2281,-549.71 J5.2@2429.13,-401.57
  Bottom Layer w10: v1(1498,-2630) v1(2132,-2630)
NetJ11_2: J11.2 R3.1 | length 102.4
  Top Layer w10: R3.1@744.09,-618.11 J11.2@846.46,-618.11